# Altium PCB rt10.PcbDoc (part 1 of 3) (continued)
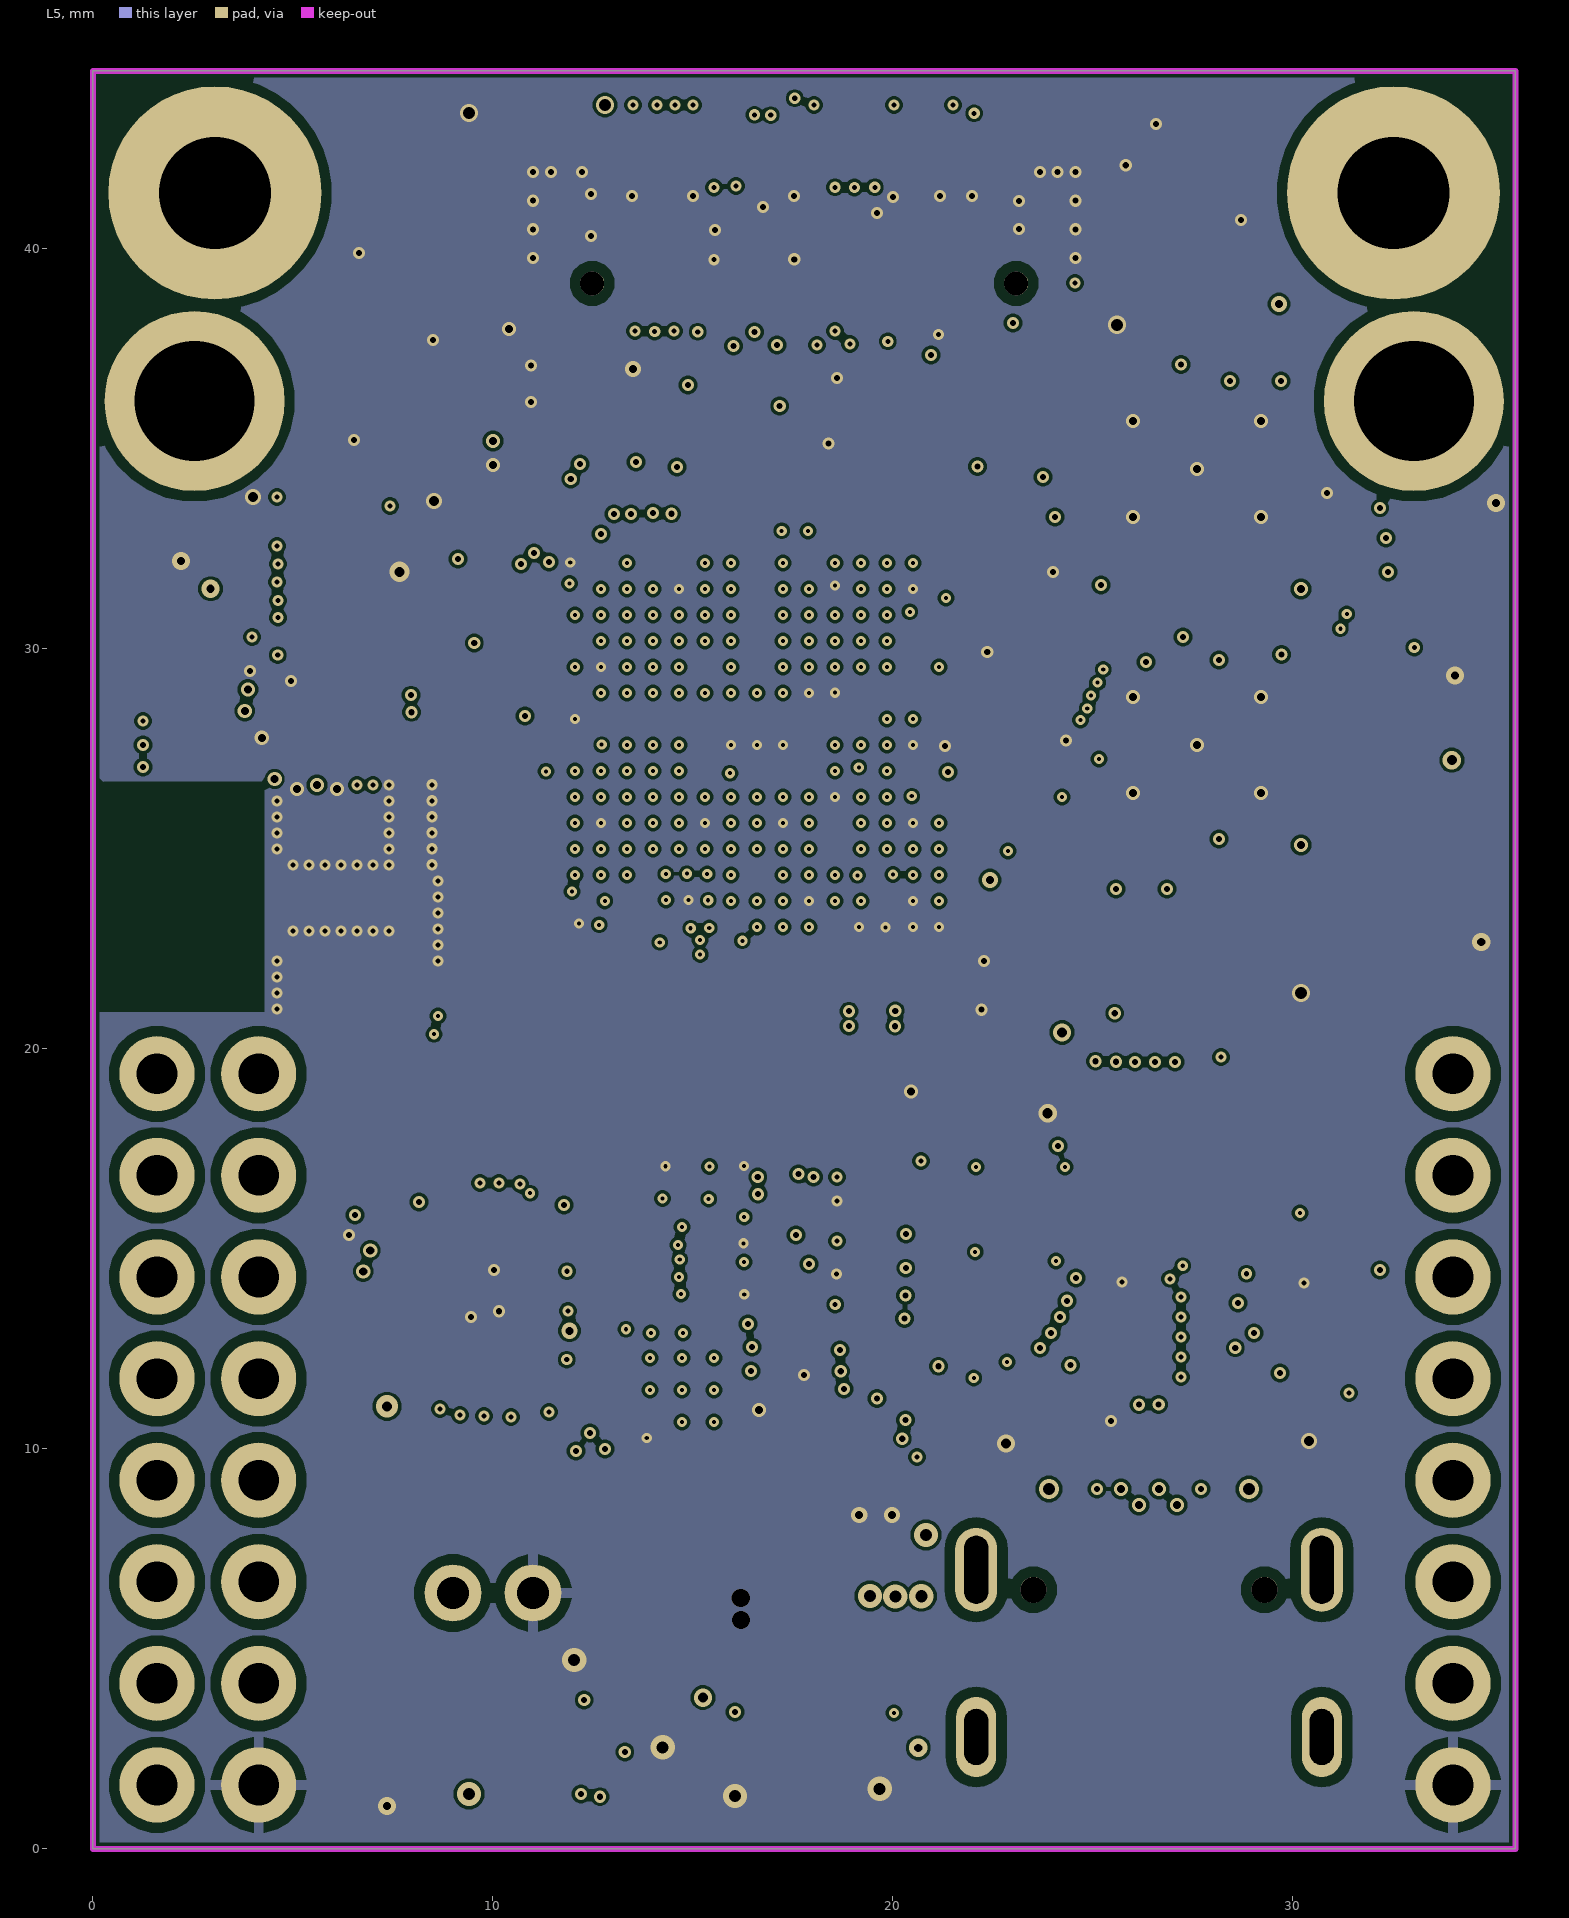
[diagram p5: L5]
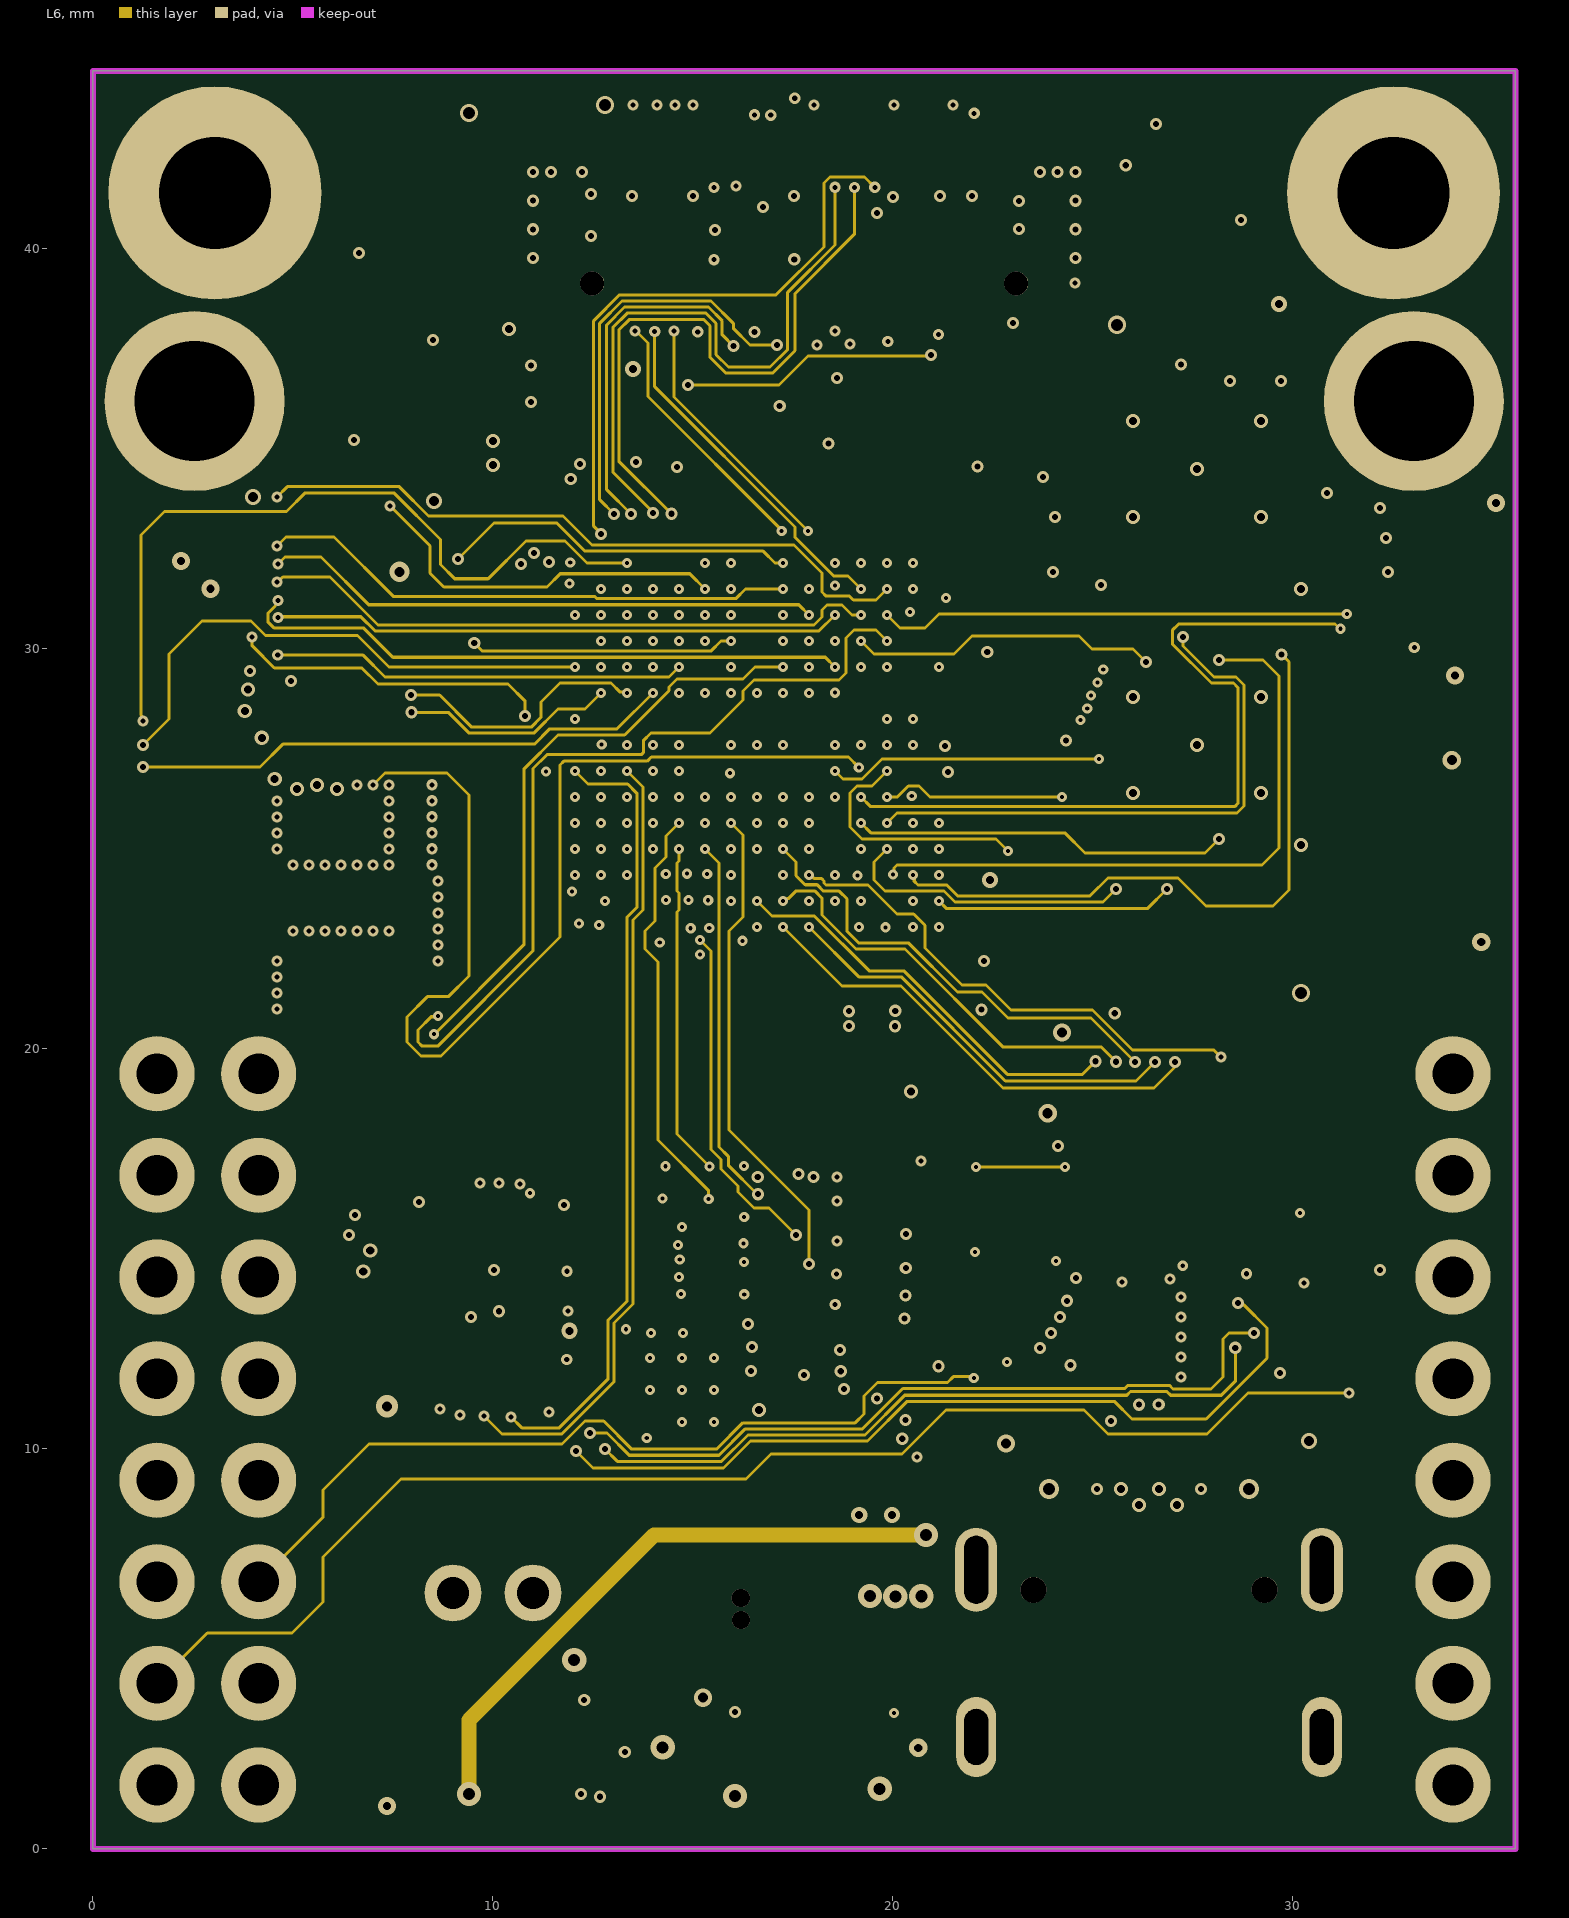
[diagram p6: L6]
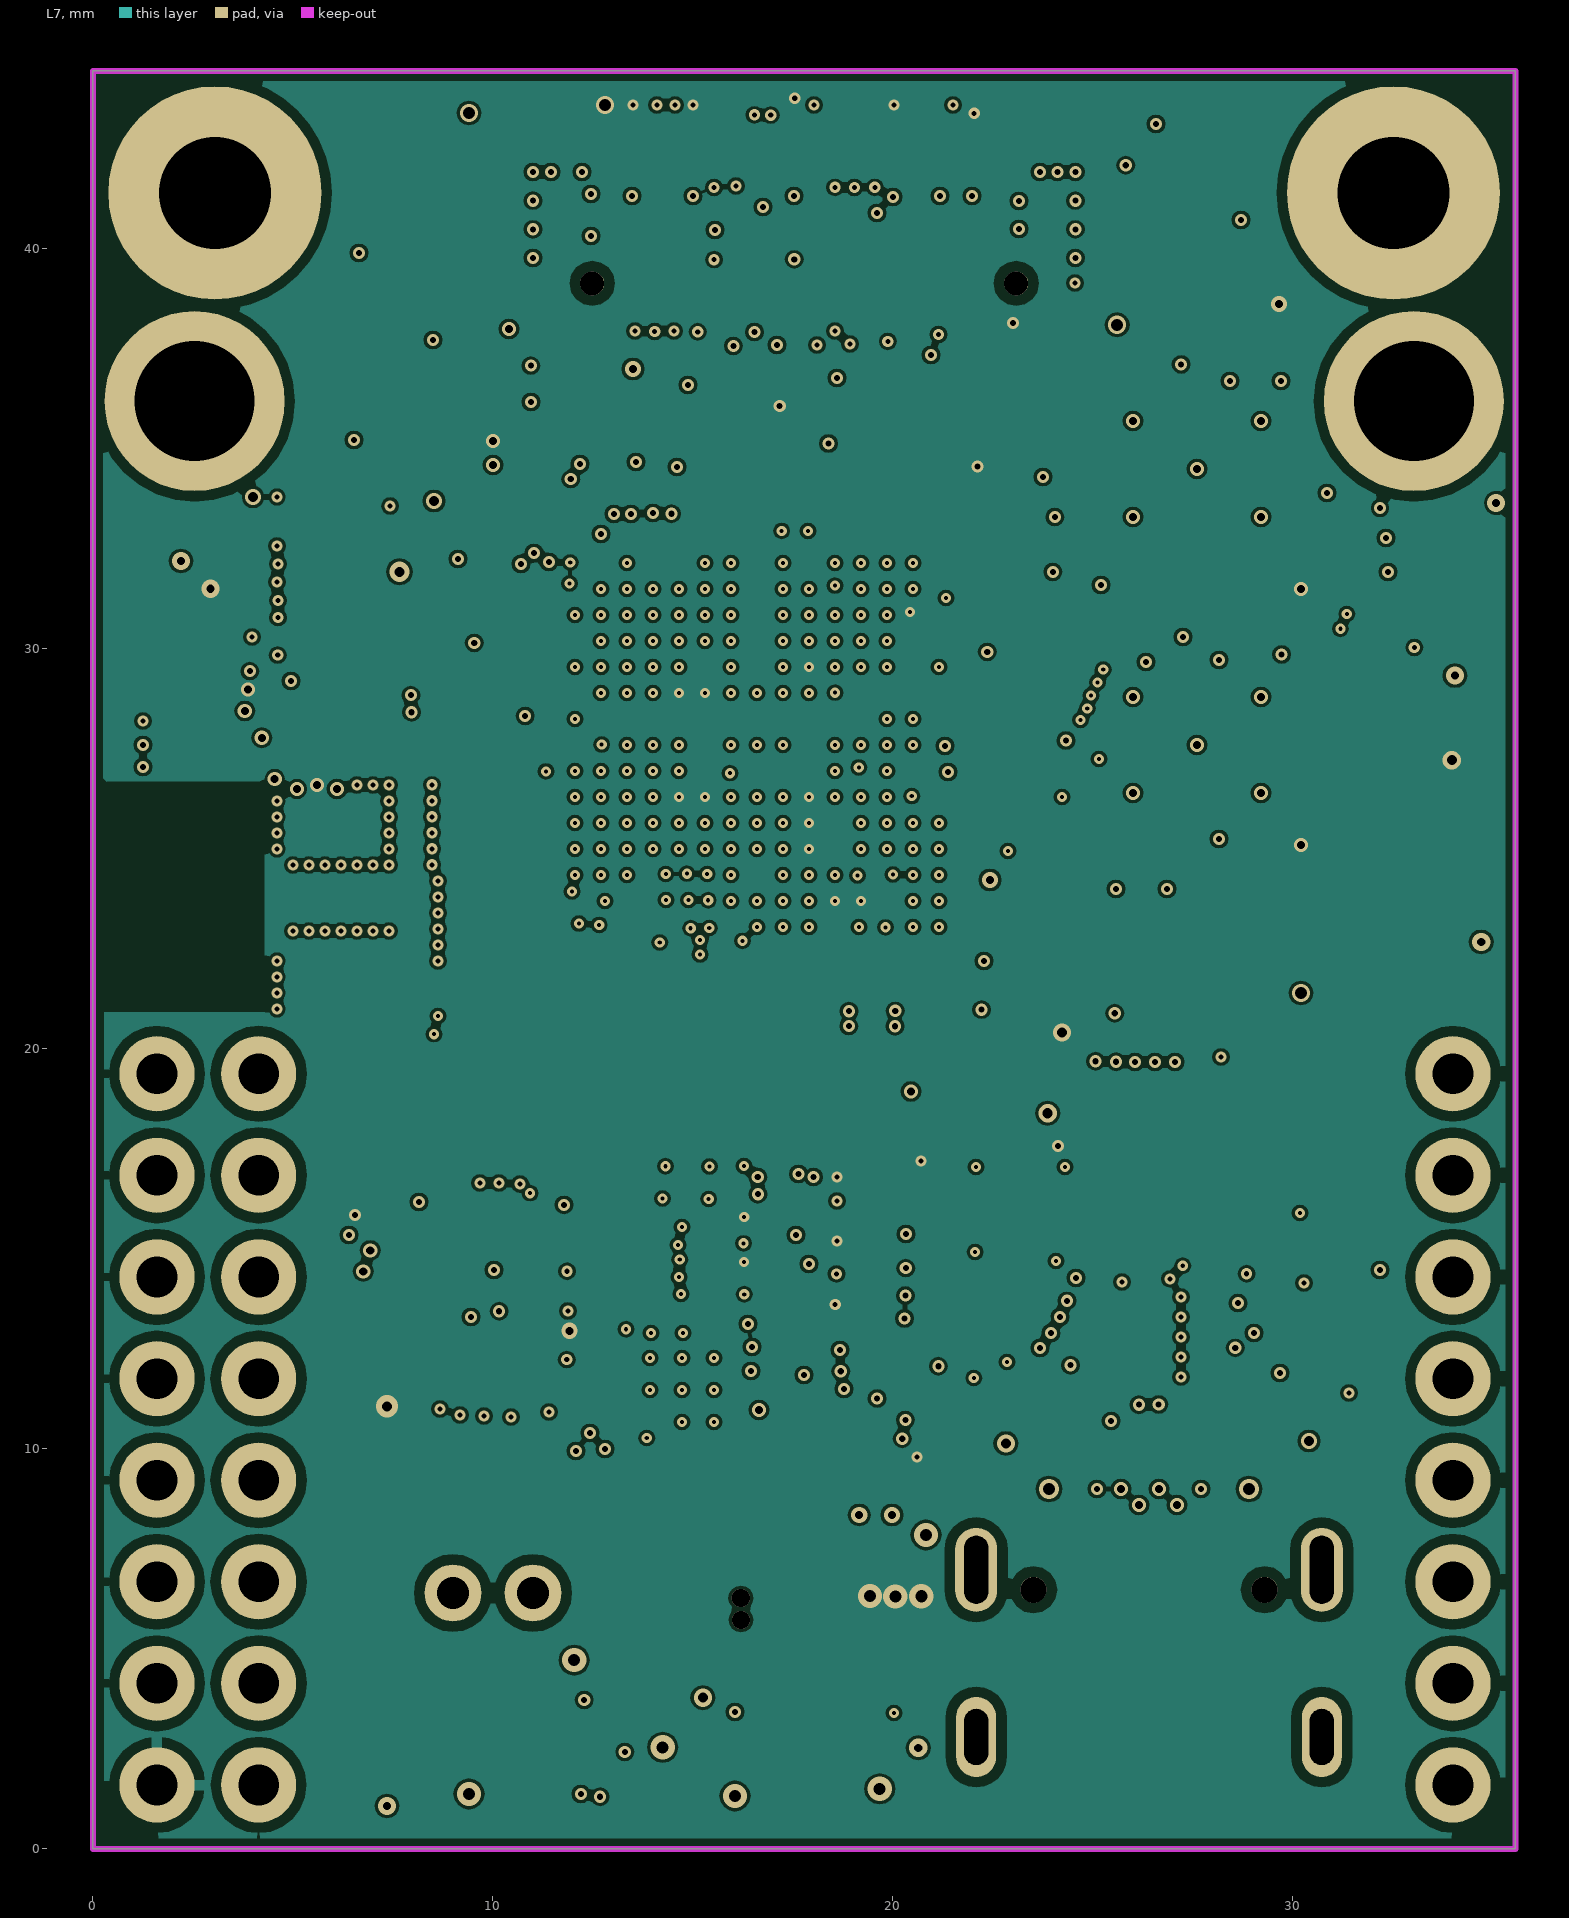
[diagram p7: L7]
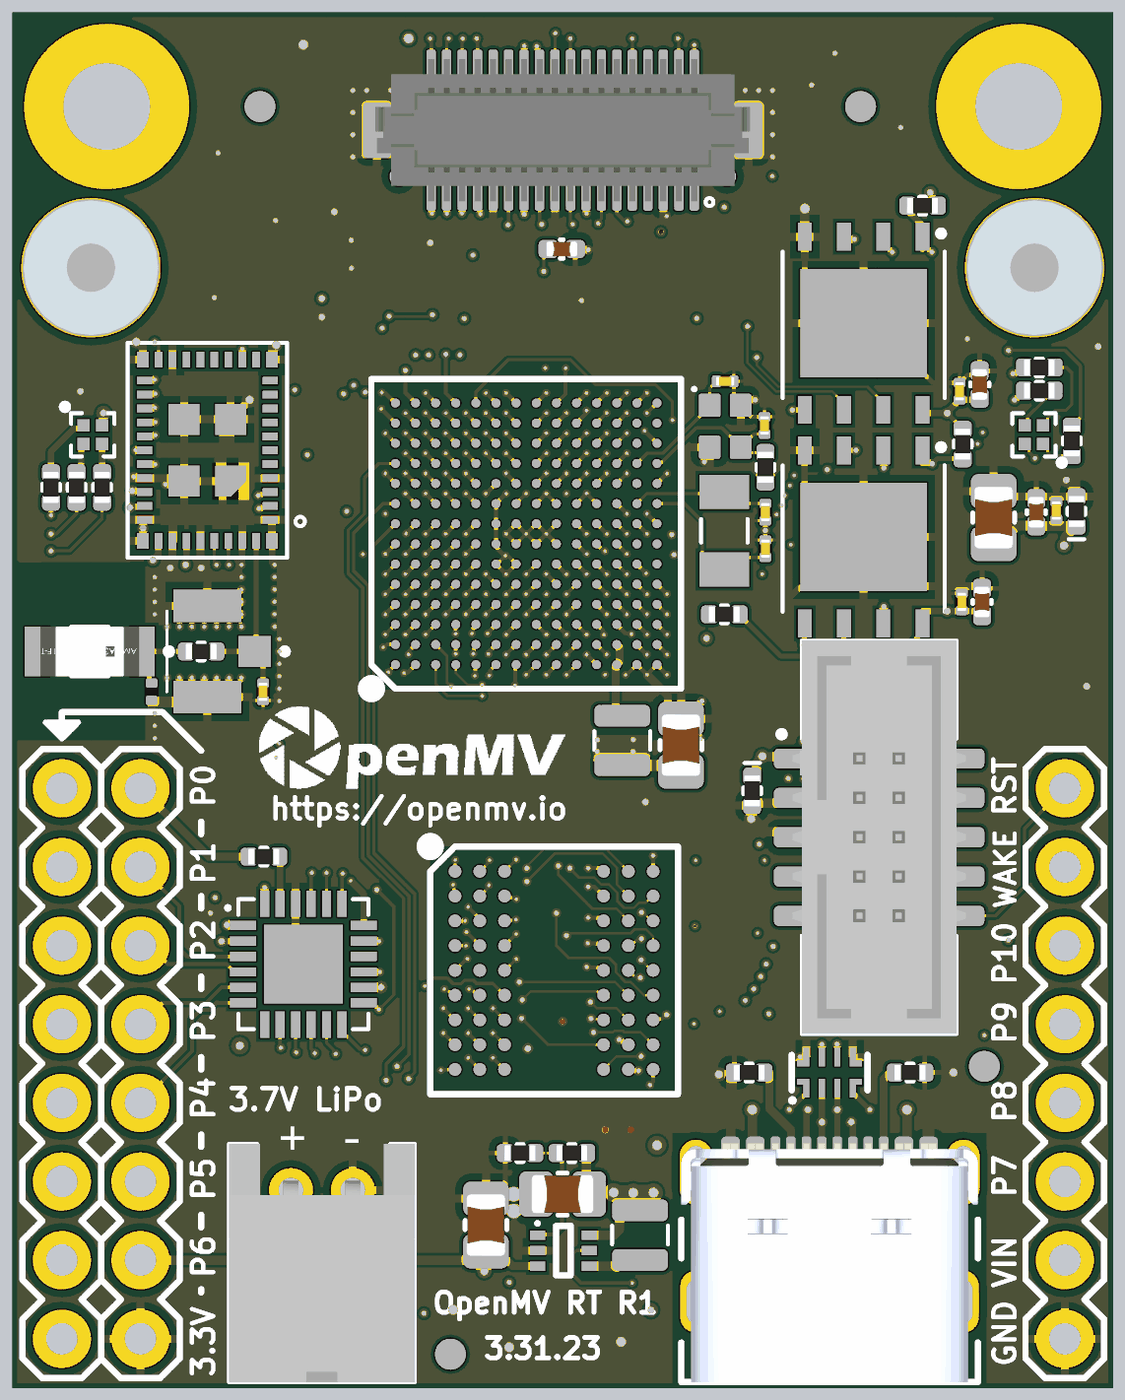
[diagram p10: 3D render of the assembled board from above, using the file's embedded part models]
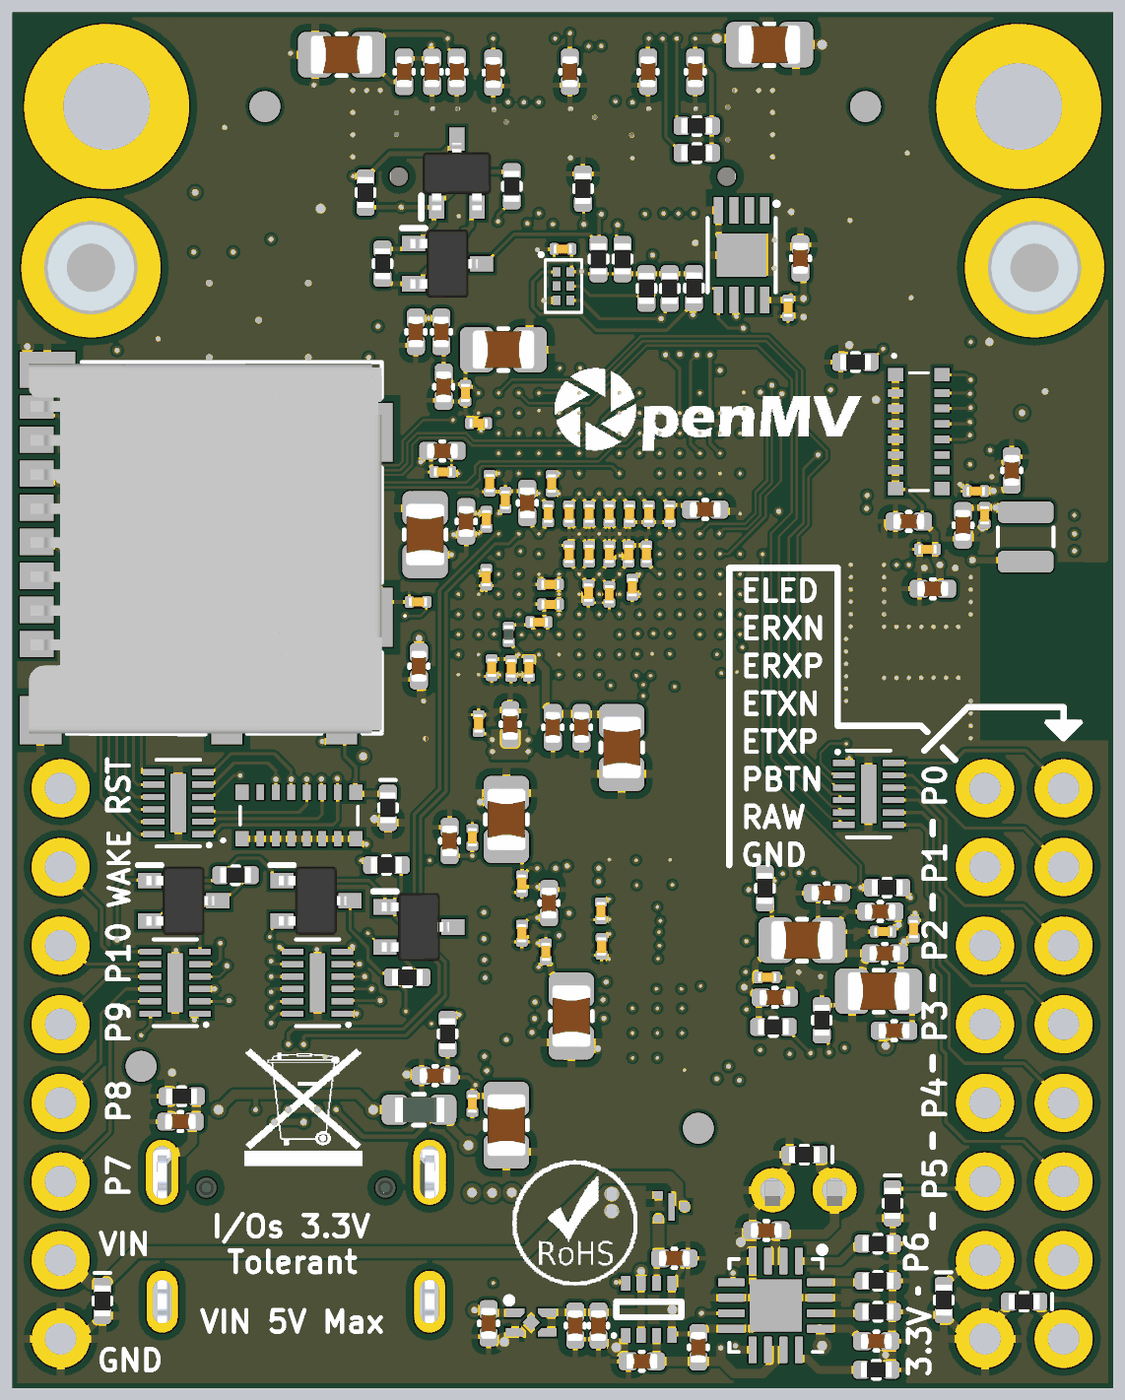
[diagram p11: 3D render of the assembled board from below, using the file's embedded part models]

## Layer stack, top to bottom
Top Solder: solder mask 0.0102, Solder Resist, Dk 3.5
Top: signal copper 0.035
Dielectric 1: dielectric 0.1, FR-4, Dk 4.8
L2: signal copper 0.035
Dielectric 4: core 0.15, FR-4, Dk 4.8
L3: signal copper 0.035
Dielectric2: dielectric 0.13, FR-4, Dk 4.8
L4: signal copper 0.035
Dielectric 5: core 0.15, FR-4, Dk 4.8
L5: signal copper 0.035
Dielectric 6: core 0.13, FR-4, Dk 4.8
L6: signal copper 0.035
Dielectric3: dielectric 0.15, FR-4, Dk 4.8
L7: signal copper 0.035
Dielectric 7: core 0.1, FR-4, Dk 4.8
Bottom: signal copper 0.035
Bottom Solder: solder mask 0.0102, Solder Resist, Dk 3.5

## Board outline
0,0 35.56,0 35.56,44.45 0,44.45

## Design rules (kind name [scope] priority, off if disabled: settings)
BoardOutlineClearance mdCopperDimension [All] p1: gap=0.076 ignorepadtopadclearanceinfootprint=FALSE
Clearance [All] p1: gap=0.076 ignorepadtopadclearanceinfootprint=FALSE except(0.127: SMDPad-Fill SMDPad-Poly SMDPad-Region; 0.254: THPad-Fill THPad-Poly THPad-Region)
ComponentClearance antenna [InComponent('J7') vs InComponent('L7')] p1: gap=0 collisioncheckmode=3 verticalgap=0 showdistances=FALSE
ComponentClearance Logos [InComponent('P1') or InComponent('P2') or InComponent('P3') or InComponent('P4') or InComponent('ANT1')   or InComponent('C78') or InComponent('C77')] p2: gap=0 collisioncheckmode=3 verticalgap=0 showdistances=FALSE
ComponentClearance "io headers" [InComponent('J2') vs InComponent('J3')] p3: gap=0 collisioncheckmode=3 verticalgap=0 showdistances=FALSE
ComponentClearance [All] p4: gap=0.127 collisioncheckmode=3 verticalgap=0.127 showdistances=FALSE
DiffPairsRouting [All] p1: maxlimit=0.102 minlimit=0.102 mostfreqgap=0.102 toplayer_minwidth=0.102 toplayer_maxwidth=0.102 toplayer_prefwidth=0.102 midlayer1_minwidth=0.102 midlayer1_maxwidth=0.102 midlayer1_prefwidth=0.102 midlayer2_minwidth=0.102 midlayer2_maxwidth=0.102 midlayer2_prefwidth=0.102 midlayer3_minwidth=0.102 midlayer3_maxwidth=0.102 midlayer3_prefwidth=0.102 midlayer4_minwidth=0.102 midlayer4_maxwidth=0.102 midlayer4_prefwidth=0.102 midlayer5_minwidth=0.102 midlayer5_maxwidth=0.102 midlayer5_prefwidth=0.102 midlayer6_minwidth=0.102 midlayer6_maxwidth=0.102 midlayer6_prefwidth=0.102 bottomlayer_minwidth=0.102 bottomlayer_maxwidth=0.102 bottomlayer_prefwidth=0.102 maxuncoupledlength=12.7
HoleSize HoleSize_For_NetClass_usb [InNetClass('usb')] p1: absolutevalues=TRUE maxlimit=0.127 minlimit=0.127 maxpercent=80.000 minpercent=20.000
HoleSize HoleSize_For_NetClass_mdio [InNetClass('mdio')] p2: absolutevalues=TRUE maxlimit=0.127 minlimit=0.127 maxpercent=80.000 minpercent=20.000
HoleSize HoleSize_For_NetClass_i2c [InNetClass('i2c')] p3: absolutevalues=TRUE maxlimit=0.127 minlimit=0.127 maxpercent=80.000 minpercent=20.000
HoleSize HoleSize_For_NetClass_sdcard [InNetClass('sdcard')] p4: absolutevalues=TRUE maxlimit=0.127 minlimit=0.127 maxpercent=80.000 minpercent=20.000
HoleSize HoleSize_For_NetClass_wifi [InNetClass('wifi')] p5: absolutevalues=TRUE maxlimit=0.127 minlimit=0.127 maxpercent=80.000 minpercent=20.000
HoleSize HoleSize_For_NetClass_mdi [InNetClass('mdi')] p6: absolutevalues=TRUE maxlimit=0.127 minlimit=0.127 maxpercent=80.000 minpercent=20.000
HoleSize HoleSize_For_NetClass_eth [InNetClass('eth')] p7: absolutevalues=TRUE maxlimit=0.127 minlimit=0.127 maxpercent=80.000 minpercent=20.000
HoleSize HoleSize_For_NetClass_flash [InNetClass('flash')] p8: absolutevalues=TRUE maxlimit=0.127 minlimit=0.127 maxpercent=80.000 minpercent=20.000
HoleSize HoleSize_For_NetClass_spi [InNetClass('spi')] p9: absolutevalues=TRUE maxlimit=0.127 minlimit=0.127 maxpercent=80.000 minpercent=20.000
HoleSize HoleSize_For_NetClass_dcmi [InNetClass('dcmi')] p10: absolutevalues=TRUE maxlimit=0.127 minlimit=0.127 maxpercent=80.000 minpercent=20.000
HoleSize HoleSize_For_NetClass_jtag [InNetClass('jtag')] p11: absolutevalues=TRUE maxlimit=0.127 minlimit=0.127 maxpercent=80.000 minpercent=20.000
HoleSize HoleSize_For_NetClass_sdram [InNetClass('sdram')] p12: absolutevalues=TRUE maxlimit=0.127 minlimit=0.127 maxpercent=80.000 minpercent=20.000
HoleSize HoleSize_For_NetClass_gnd [InNetClass('gnd')] p13: absolutevalues=TRUE maxlimit=0.127 minlimit=0.127 maxpercent=80.000 minpercent=20.000
HoleSize HoleSize_For_NetClass_power [InNetClass('power')] p14: absolutevalues=TRUE maxlimit=0.254 minlimit=0.254 maxpercent=80.000 minpercent=20.000
HoleSize [All] p15: absolutevalues=TRUE maxlimit=2540 minlimit=0.102 maxpercent=80.000 minpercent=20.000
HoleToHoleClearance mdDrill [All] p1: gap=0.076 allowstackedmicrovias=TRUE
MinimumSolderMaskSliver [All] p1 off: minsoldermaskwidth=0.254
PasteMaskExpansion Expansion_SMDPaste_OFF [InPadClass('SMDPaste_OFF')] p1: expansion=0
PasteMaskExpansion mlMinCreamFrame [All] p2: expansion=0
PolygonConnect 0402 [HasFootprint('0402-RES')  OR HasFootprint('0402-CAP')] p1: connectstyle=Relief reliefconductorwidth=0.152 reliefentries=4 polygonreliefangle="90 Angle" airgapwidth=0.254
PolygonConnect 0201 [HasFootprint('0201-RES')    OR HasFootprint('C0201')        OR HasFootprint('0201-CAP') OR HasFootprint('CAPC0603X33N')] p2: connectstyle=Relief reliefconductorwidth=0.102 reliefentries=4 polygonreliefangle="90 Angle" airgapwidth=0.152
PolygonConnect [All] p3: thpad.connectstyle=Relief thpad.reliefconductorwidth=0.254 thpad.reliefentries=4 thpad.polygonreliefangle="90 Angle" thpad.airgapwidth=0.254 smdpad.connectstyle=Relief smdpad.reliefconductorwidth=0.254 smdpad.reliefentries=4 smdpad.polygonreliefangle="90 Angle" smdpad.airgapwidth=0.254 via.connectstyle=Direct via.reliefconductorwidth=0.254 via.reliefentries=4 via.polygonreliefangle="90 Angle" via.airgapwidth=0.254
RoutingVias [All] p1: holewidth=0.102 width=0.254 viastyle="Through Hole" minholewidth=0.102 minwidth=0.254 maxholewidth=2.54 maxwidth=2.54
SolderMaskExpansion Expansion_SMDSolder_OFF [InPadClass('SMDSolder_OFF')] p1: expansion=0 istentingtop=FALSE
SolderMaskExpansion mlMinStopFrame [All] p2: expansion=0.051 istentingtop=FALSE
Width [All] p1: maxlimit=2.54 minlimit=0.076 preferedwidth=0.076 minimp=50.000000 maximp=50.000000 favimp=50.000000
24 further rules are at their usual default settings.

## Classes and differential pairs
net class DCMI: DCMI_CLK DCMI_D0 DCMI_D1 DCMI_D2 DCMI_D3 DCMI_D4 DCMI_D5 DCMI_D6 DCMI_D7 DCMI_FSIN DCMI_HSYNC DCMI_MISO DCMI_MOSI DCMI_PCLK DCMI_PWDN DCMI_RST DCMI_SCL DCMI_SCLK DCMI_SDA DCMI_SSEL DCMI_VSYNC
net class SDRAM: SDRAM_A0 SDRAM_A1 SDRAM_A2 SDRAM_A3 SDRAM_A4 SDRAM_A5 SDRAM_A6 SDRAM_A7 SDRAM_A8 SDRAM_A9 SDRAM_A10 SDRAM_A11 SDRAM_A12 SDRAM_BA0 SDRAM_BA1 SDRAM_CAS SDRAM_CKE SDRAM_CLK SDRAM_CS SDRAM_DQ0 SDRAM_DQ1 SDRAM_DQ2 SDRAM_DQ3 SDRAM_DQ4 SDRAM_DQ5 SDRAM_DQ6 SDRAM_DQ7 SDRAM_DQ8 SDRAM_DQ9 SDRAM_DQ10 SDRAM_DQ11 SDRAM_DQ12 SDRAM_DQ13 SDRAM_DQ14 SDRAM_DQ15 SDRAM_DQMH SDRAM_DQML SDRAM_RAS SDRAM_WE
polygon class PolygonThermal_ON_Width100000_Gap100000: Polygon_1_Net_GND Polygon_1_Net_VCC Polygon_2_Net_GND Polygon_3_Net_GND
polygon class Isolate_10: Polygon_1_Net_GND Polygon_1_Net_VCC Polygon_2_Net_GND Polygon_3_Net_GND
pad class SMDSolder_OFF: U3-43
pad class SMDPaste_OFF: FD1-1 FD2-1 FD5-1 FD6-1 J4-1 J4-2 J4-3 J4-4 J4-5 J4-6 J4-7 J4-8 J4-9 J4-10 J4-11 J4-12 J4-13 J4-14 J4-15 J4-16 J4-17 J4-18 J4-19 J4-20 J4-21 J4-22 J4-23 J4-24 J4-25 J4-26 J4-27 J4-28 J4-29 J4-30 J4-31 J4-32 J4-33 J4-34 J4-35 J4-36 U3-43
differential pair USB_D: +USB_D_P -USB_D_N

## Components (designator, comment, footprint, x,y, rotation, side; value= is the part's Value field where it differs from the comment)
ANT1 "AMCA31-2R450G-S1F-T3" ANTC3216X140N 2.5,23.8 r180 top
C1 "4.7uF" 0402-CAP 16.625,2.025 r90 bottom
C2 "4.7uF" 0402-CAP 20.175,2.1 r90 bottom
C3 "4.7uF" 0402-CAP 15.225,0.875 r180 bottom
C4 "4.7uF" 0402-CAP 17.375,2.025 r90 bottom
C5 "4.7uF" 0402-CAP 14.175,4.2 r0 bottom
C6 "22uF" 0805 15.3,5.275 r90 top
C7 "22uF" 0805 17.775,6.275 r180 top
C8 "4.7uF" 0402-CAP 11.203,5.102 r180 bottom
C9 "4.7uF" 0402-CAP 7.65,1.525 r0 bottom
C10 "4.7uF" 0402-CAP 13.4,1.325 r270 bottom
C11 "0.22uF" C0201 18.325,14.1 r270 bottom
C12 "4.7uF" 0402-CAP 18.225,15.675 r90 bottom
C13 "0.22uF" C0201 19.1,16.3 r270 bottom
C14 "22uF" 0805 17.5,12.025 r270 bottom
C15 "0.22uF" C0201 20.7,17.8 r90 bottom
C16 "0.22uF" C0201 16.547,15.42 r270 bottom
C17 "4.7uF" 0402-CAP 21.434,17.683 r270 bottom
C18 "22uF" 0805 19.6,18.375 r270 bottom
C19 "0.22uF" C0201 19.1,14.7 r270 bottom
C20 "0.22uF" C0201 10.5,34.9 r270 bottom
C21 "4.7uF" 0402-CAP 10.1,36.5 r270 bottom
C22 "0.22uF" C0201 30.6,32.204 r90 top
C23 "4.7uF" 0402-CAP 31.25,32.425 r270 top
C24 "0.22uF" C0201 30.671,25.401 r90 top
C25 "4.7uF" 0402-CAP 31.325,25.4 r270 top
C26 "0.22uF" C0201 17.775,36.8 r0 bottom
C27 "4.7uF" 0402-CAP 17.75,36.8 r180 top
C28 "0.22uF" C0201 16.525,14.275 r270 bottom
C29 "22uF" 0805 19.6,8.5 r270 bottom
C30 "4.7uF" 0402-CAP 21.9,10.1 r0 bottom
C31 "0.22uF" C0201 20.7,9.2 r90 bottom
C32 "22uF" 0805 11.1,43.4 r180 bottom
C33 "4.7uF" 0402-CAP 22,42.525 r90 bottom
C34 "0.22uF" C0201 16.95,25.7 r270 bottom
C35 "4.7uF" 0402-CAP 33.075,28.3 r270 top
C36 "0.22uF" C0201 33.725,28.35 r90 top
C37 "22uF" 0805 31.7,28.125 r90 top
C38 "0.22uF" C0201 16.925,28.25 r270 bottom
C39 "4.7uF" 0402-CAP 20.025,42.5 r90 bottom
C40 "4.7uF" 0402-CAP 17.55,42.525 r90 bottom
C41 "4.7uF" 0402-CAP 17.175,21.35 r90 bottom
C42 "4.7uF" 0402-CAP 15.025,42.525 r90 bottom
C43 "0.22uF" C0201 18.175,25.325 r0 bottom
C44 "4.7uF" 0402-CAP 13.5,42.525 r90 bottom
C45 "0.22uF" C0201 17.575,28.25 r270 bottom
C46 "4.7uF" 0402-CAP 19.475,21.45 r270 bottom
C47 "0.22uF" C0201 20.5,21.475 r90 bottom
C48 "0.22uF" C0201 16.275,25.65 r270 bottom
C49 "22uF" 0805 21.6,20.775 r270 top
C50 "0.22uF" C0201 20.5,31.175 r0 bottom
C51 "22uF" 0805 24.925,43.075 r0 bottom
C52 "4.7uF" 0402-CAP 21.2,42.525 r90 bottom
C53 "0.22uF" C0201 15.075,26.95 r90 bottom
C54 "0.22uF" C0201 18.179,25.966 r0 bottom
C55 "0.22uF" C0201 19.446,23.254 r270 bottom
C56 "0.22uF" C0201 18.874,23.253 r270 bottom
C57 "4.7uF" 0402-CAP 18.1,21.35 r90 bottom
C58 "22uF" 0805 15.875,20.7 r90 bottom
C59 "0.22uF" C0201 20.925,32.15 r270 bottom
C60 "4.7uF" 0402-CAP 21.625,32.35 r90 bottom
C61 "22uF" 0805 19.7,33.55 r0 bottom
C62 "0.22uF" C0201 18.55,24.75 r180 bottom
C63 "0.22uF" C0201 22.454,25.4 r0 bottom
C64 "4.7uF" 0402-CAP 5.825,25.825 r0 bottom
C65 "4.7uF" 0402-CAP 9.25,16 r180 bottom
C66 "0.22uF" C0201 18.141,29.227 r90 bottom
C67 "4.7uF" 0402-CAP 13.177,28.384 r180 bottom
C68 "0.22uF" C0201 15,28.25 r90 bottom
C69 "0.22uF" C0201 19.632,28.693 r90 bottom
C70 "0.22uF" C0201 20.138,29.238 r270 bottom
C71 "0.22uF" C0201 18.25,28.25 r90 bottom
C72 "4.7uF" 0402-CAP 18.925,28.6 r270 bottom
C73 "22uF" 0805 22.225,27.575 r270 bottom
C74 "0.22uF" C0201 4.15,28.2 r270 bottom
C75 "0.22uF" C0201 4.439,28.983 r0 bottom
C76 "0.22uF" C0201 6,27.1 r0 bottom
C77 "GRM0335C1H1R5BA01D" CAPC0603X33N 8.1,22.5 r270 top
C78 "DNP" C0201-NO-3D 4.5,22.5 r270 top
C79 "18pF" C0201 24.325,27.121 r90 top
C80 "18pF" C0201 24.325,28.3 r270 top
C81 "4.7uF" 0402-CAP 7.375,14.05 r180 bottom
C82 "0.22uF" C0201 6.441,14.835 r90 bottom
C83 "4.7uF" 0402-CAP 7.525,15.4 r180 bottom
C84 "0.22uF" C0201 7.425,14.75 r0 bottom
C85 "22uF" 0805 7.577,12.827 r0 bottom
C86 "0.22uF" C0201 14.325,28.25 r90 bottom
C87 "0.22uF" C0201 16.925,26.95 r270 bottom
C88 "0.22uF" C0201 20.25,26.2 r270 bottom
C89 "0.22uF" C0201 11.175,13.275 r180 bottom
C90 "4.7uF" 0402-CAP 10.925,12.625 r0 bottom
C91 "4.7uF" 0402-CAP 4.85,27.875 r90 bottom
C92 "4.7uF" 0402-CAP 3.275,29.65 r270 bottom
C93 "4.7uF" 0402-CAP 6.6,28 r180 bottom
C94 "0.22uF" C0201 16.275,26.95 r270 bottom
C95 "4.7uF" 0402-CAP 22.425,23.325 r90 bottom
C96 "22uF" 0805 10.05,14.475 r180 bottom
C97 "0.22uF" C0201 15.65,26.95 r270 bottom